# Altium PCB 6502_CPU_MainBoard_PCB_V1_2.PcbDoc (part 1 of 5) (continued)
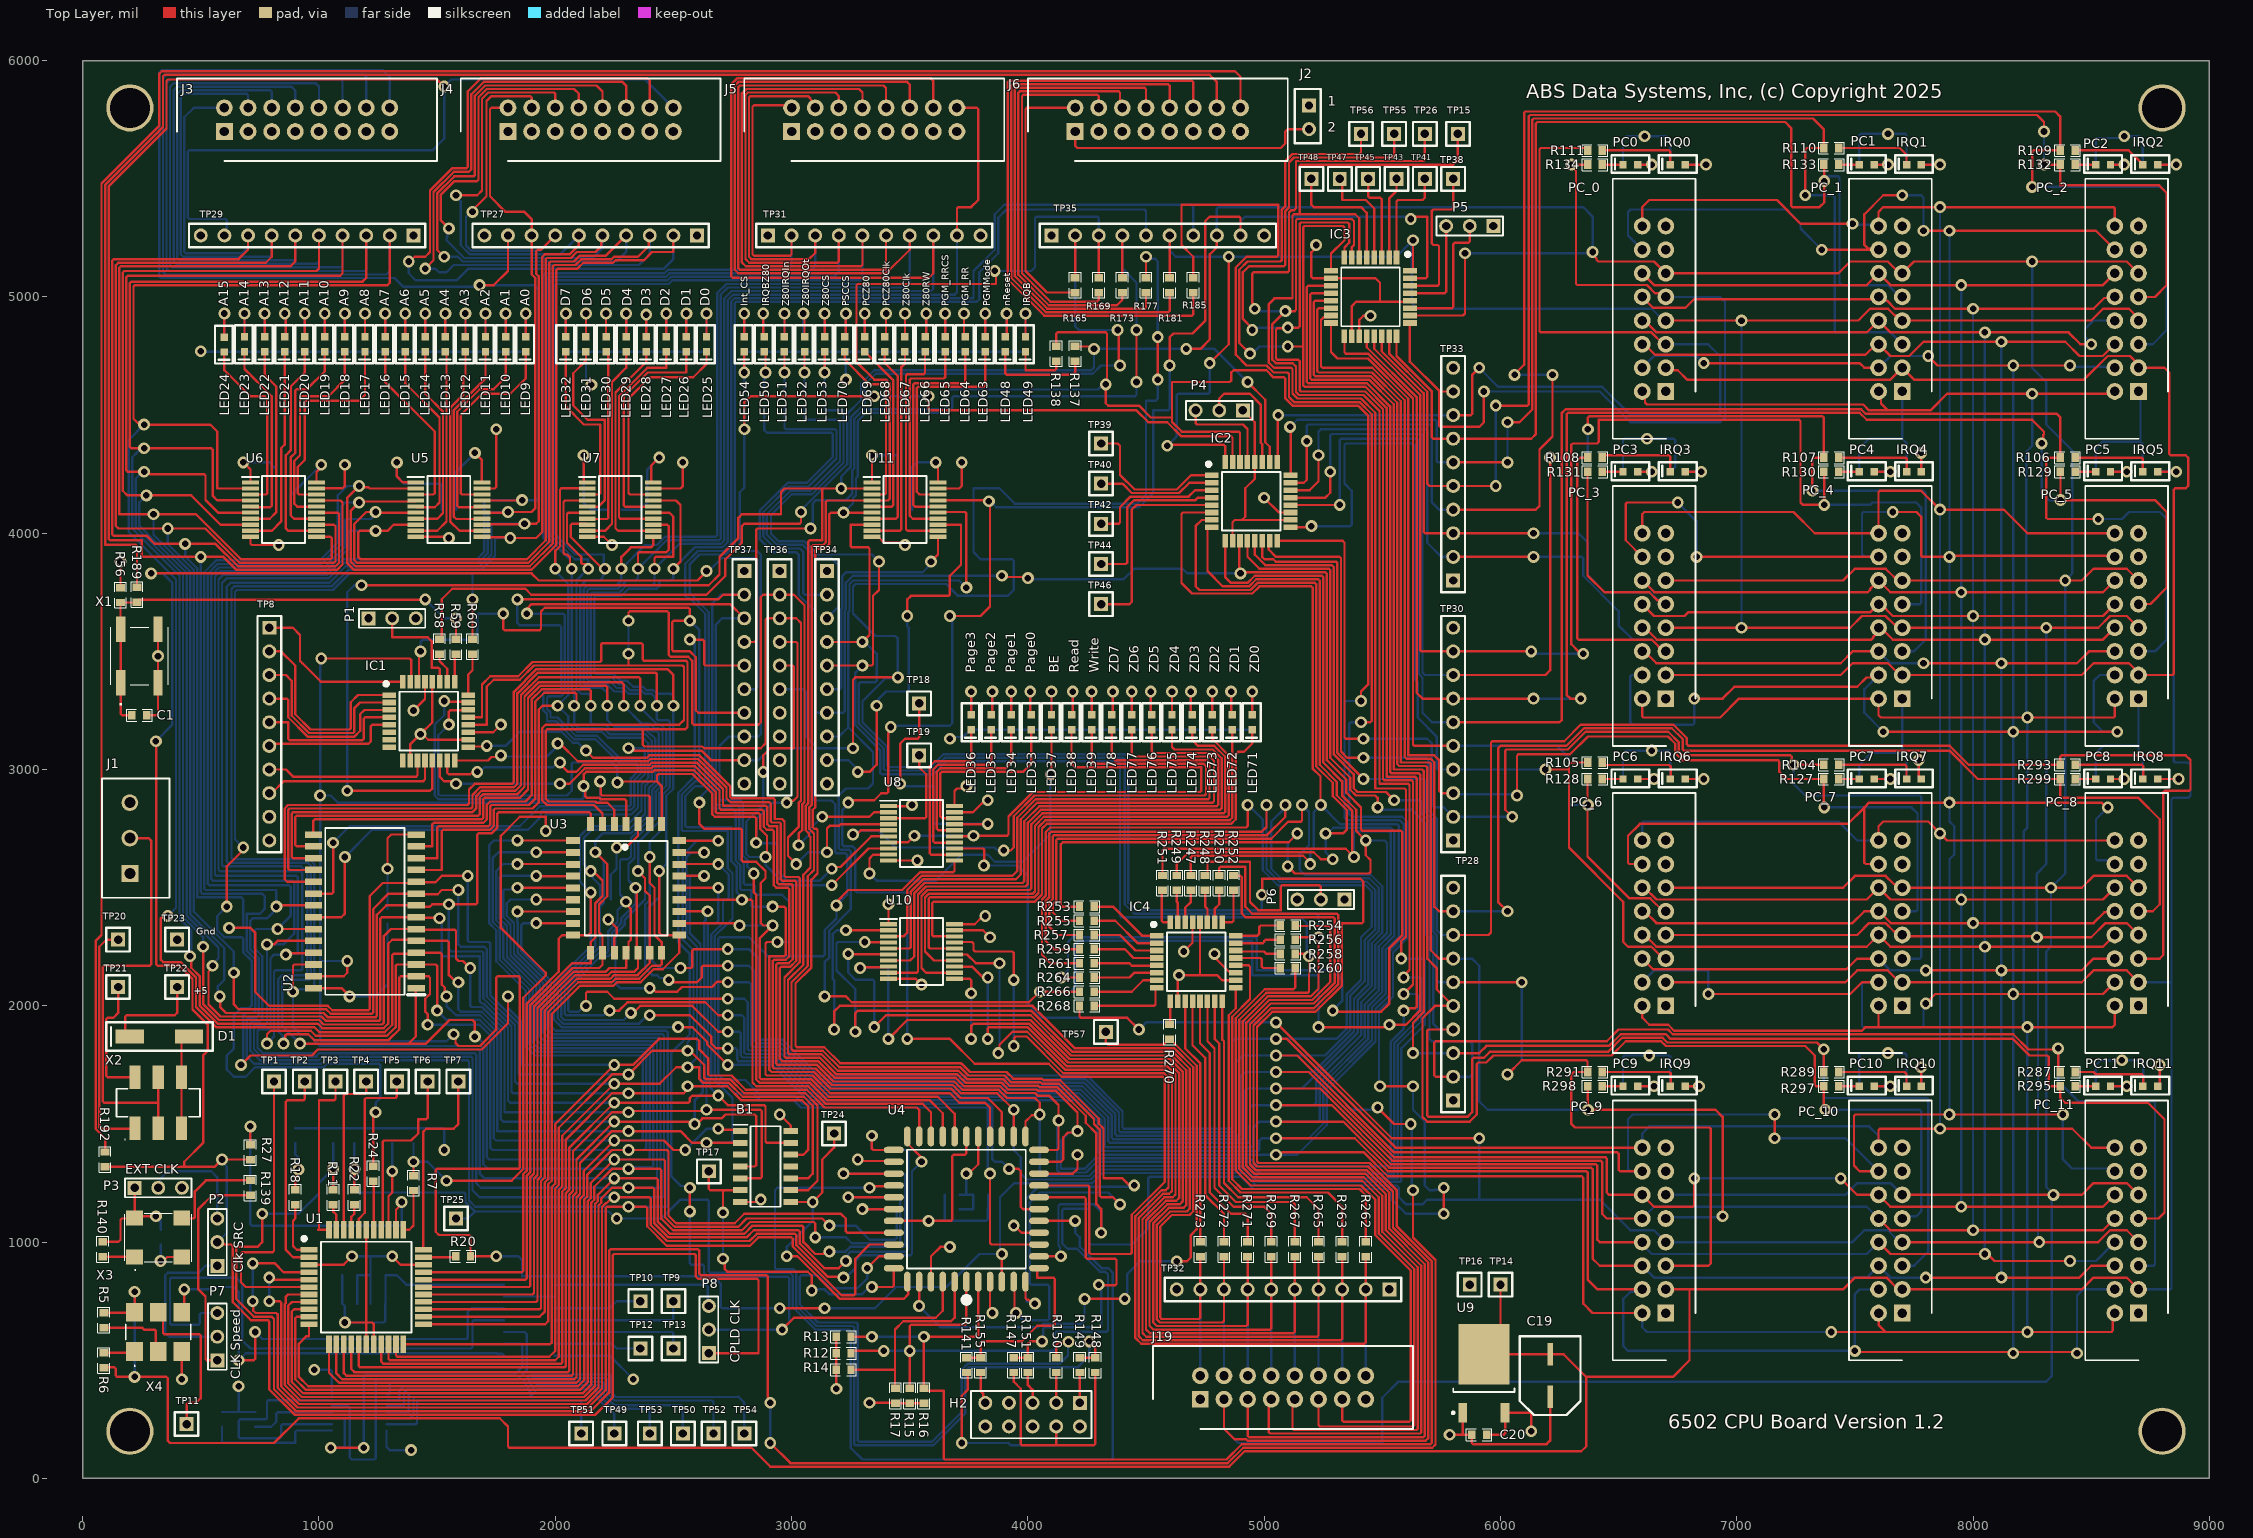
[diagram p0: Top Layer view]
## Footprints (in the part's own frame and the unit in brackets; to place one, negate y for a bottom-side part, rotate by r counter-clockwise, add the part's x,y. Pads: shape width x height; smd on the part's side, far side on the other; paste and mask are expansions set on the pad) (continued)
  rect 0.6x1.475 smd: 9(-2.8,-4.238) 10(-2,-4.238) 11(-1.2,-4.238) 12(-0.4,-4.238) 13(0.4,-4.238) 14(1.2,-4.238) 15(2,-4.238) 16(2.8,-4.238) 25(2.8,4.238) 26(2,4.238) 27(1.2,4.238) 28(0.4,4.238) 29(-0.4,4.238) 30(-1.2,4.238) 31(-2,4.238) 32(-2.8,4.238)
  silkscreen extent -4.77,-3.15 3.15,4.2, body extent -4.5,-4.5 4.5,4.5, height 1.2
QFP-44 [mm]
  rect 1.85x0.6 smd: 1(-6.15,4) 2(-6.15,3.2) 3(-6.15,2.4) 4(-6.15,1.6) 5(-6.15,0.8) 6(-6.15,0) 7(-6.15,-0.8) 8(-6.15,-1.6) 9(-6.15,-2.4) 10(-6.15,-3.2) 11(-6.15,-4) 23(6.15,-4) 24(6.15,-3.2) 25(6.15,-2.4) 26(6.15,-1.6) 27(6.15,-0.8) 28(6.15,0) 29(6.15,0.8) 30(6.15,1.6) 31(6.15,2.4) 32(6.15,3.2) 33(6.15,4)
  rect 0.6x1.85 smd: 12(-4,-6.15) 13(-3.2,-6.15) 14(-2.4,-6.15) 15(-1.6,-6.15) 16(-0.8,-6.15) 17(0,-6.15) 18(0.8,-6.15) 19(1.6,-6.15) 20(2.4,-6.15) 21(3.2,-6.15) 22(4,-6.15) 34(4,6.15) 35(3.2,6.15) 36(2.4,6.15) 37(1.6,6.15) 38(0.8,6.15) 39(0,6.15) 40(-0.8,6.15) 41(-1.6,6.15) 42(-2.4,6.15) 43(-3.2,6.15) 44(-4,6.15)
  silkscreen extent -6.87,-4.87 4.87,5.4, body extent -6.6,-6.6 6.6,6.6, height 2.7
SHDR16W99P254_2X8_2794X889X927P [mm]
  rect 1.8x1.8 / inner round 1.8 / far side rect 1.8x1.8 hole 1.016: 1(0,0)
  round 1.8 hole 1.016: 2(0,2.54) 3(2.54,0) 4(2.54,2.54) 5(5.08,0) 6(5.08,2.54) 7(7.62,0) 8(7.62,2.54) 9(10.16,0) 10(10.16,2.54) 11(12.7,0) 12(12.7,2.54) 13(15.24,0) 14(15.24,2.54) 15(17.78,0) 16(17.78,2.54)
  silkscreen extent -5.08,-3.17 22.86,5.71, body extent -5.08,-3.17 22.86,5.71, height 8.38
SKRAAME010 [mm]
  rect 2.75x1 smd: 1(-2.875,2) 2(2.875,2) 3(-2.875,-2) 4(2.875,-2)
  silkscreen extent -5.23,-3.1 3.1,3.1, body extent -4.15,-3.1 4.15,3.1, height 5.4
SOIC127P600X175-14N [mm]
  rect 1.525x0.65 smd: 1(-2.712,3.81) 2(-2.712,2.54) 3(-2.712,1.27) 4(-2.712,0) 5(-2.712,-1.27) 6(-2.712,-2.54) 7(-2.712,-3.81) 8(2.712,-3.81) 9(2.712,-2.54) 10(2.712,-1.27) 11(2.712,0) 12(2.712,1.27) 13(2.712,2.54) 14(2.712,3.81)
  silkscreen extent -3.47,-4.33 1.6,4.48, body extent -3.01,-4.33 3.01,4.33, height 1.75
SOP65P640X120-14N [mm]
  rect 1.475x0.45 smd: 1(-2.938,1.95) 2(-2.938,1.3) 3(-2.938,0.65) 4(-2.938,0) 5(-2.938,-0.65) 6(-2.938,-1.3) 7(-2.938,-1.95) 8(2.938,-1.95) 9(2.938,-1.3) 10(2.938,-0.65) 11(2.938,0) 12(2.938,0.65) 13(2.938,1.3) 14(2.938,1.95)
  silkscreen extent -3.67,-2.5 1.85,2.52, body extent -3.2,-2.5 3.2,2.5, height 1.13
SOP65P780X200-20N [mm]
  rect 1.8x0.45 smd: 1(-3.55,2.925) 2(-3.55,2.275) 3(-3.55,1.625) 4(-3.55,0.975) 5(-3.55,0.325) 6(-3.55,-0.325) 7(-3.55,-0.975) 8(-3.55,-1.625) 9(-3.55,-2.275) 10(-3.55,-2.925) 11(3.55,-2.925) 12(3.55,-2.275) 13(3.55,-1.625) 14(3.55,-0.975) 15(3.55,-0.325) 16(3.55,0.325) 17(3.55,0.975) 18(3.55,1.625) 19(3.55,2.275) 20(3.55,2.925)
  silkscreen extent -4.45,-3.6 2.3,3.6, body extent -4.03,-3.6 3.77,3.6, height 1.9
SOP-28 [mm]
  rect 1.85x0.7 smd: 1(-5.525,8.255) 2(-5.525,6.985) 3(-5.525,5.715) 4(-5.525,4.445) 5(-5.525,3.175) 6(-5.525,1.905) 7(-5.525,0.635) 8(-5.525,-0.635) 9(-5.525,-1.905) 10(-5.525,-3.175) 11(-5.525,-4.445) 12(-5.525,-5.715) 13(-5.525,-6.985) 14(-5.525,-8.255) 15(5.525,-8.255) 16(5.525,-6.985) 17(5.525,-5.715) 18(5.525,-4.445) 19(5.525,-3.175) 20(5.525,-1.905) 21(5.525,-0.635) 22(5.525,0.635) 23(5.525,1.905) 24(5.525,3.175) 25(5.525,4.445) 26(5.525,5.715) 27(5.525,6.985) 28(5.525,8.255)
  silkscreen extent -6.45,-8.97 4.25,8.97, body extent -5.97,-9.09 5.97,8.84, height 2.79
TO-252_N [mm] "D-PAK, 4-Leads, Body 6.1x6.5mm, Pitch 2.28mm, Lead Span 9.7mm, IPC Medium Density"
  rect 2.1x0.95 smd: 1(-4.25,2.28) 3(-4.25,-2.28)
  rect 6.5x5.5 smd: 4(2.05,0)
  silkscreen extent -4.37,-3.3 -1.6,3.43, body extent -2,-3.3 4.2,3.3, height 2.4
TP [mm] "Test Point"
  rect 1.5x1.5 hole 0.9: 1(0,0)
  silkscreen extent -1.27,-1.27 1.27,1.27
TP_1X10 [mm] "Test Point Header 1X10"
  rect 1.5x1.5 hole 0.9: 1(0,0)
  round 1.5 hole 0.9: 2(2.54,0) 3(5.08,0) 4(7.62,0) 5(10.16,0) 6(12.7,0) 7(15.24,0) 8(17.78,0) 9(20.32,0) 10(22.86,0)
  silkscreen extent -1.27,-1.27 24.13,1.27
XLH736056000000X [mm]
  rect 1.8x2 smd: 1(-2.54,-2.1) 2(0,-2.1) 3(2.54,-2.1) 4(2.54,2.1) 5(0,2.1) 6(-2.54,2.1)
  silkscreen extent -3.5,-3.7 3.5,0.8, body extent -3.5,-2.92 3.5,2.92, height 1.55

## Part data
B1: "Texas Instruments CD74HCT20MT, Dual 4-Input NAND Logic Gate, 14-Pin SOIC", Manufacturer_Name="Texas Instruments", Mouser Part Number=595-CD74HCT20MT, Datasheet Link=https://www.ti.com/general/docs/suppproductinfo.tsp?distId=10&gotoUrl=https%3A%2F%2Fwww.ti.com%2Flit%2Fgpn%2Fcd74hct20, Geometry.Height=1.75mm, Manufacturer_Part_Number=CD74HCT20MT, Mouser Price/Stock=https://www.mouser.co.uk/ProductDetail/Texas-Instruments/CD74HCT20MT?qs=xFfolx0DHx2dg0PqLn7e%252Bw%3D%3D
C1 C2 C3 C4 C5 C6 C9 C12 C13 C14 C15 C16 C17 C18: library part CL10B104JB8NNNC, "Samsung Electro-Mechanics 0603 100nf"
C7 C10: library part CL10B102KB8NNNL, "Samsung Electro-Mechanics 0603 1nf"
C8 C11 C20: library part CL10B105KA8NNNL, "Samsung Electro-Mechanics 0603 1uf"
C19: library part UUD1C470MCL1GS, "CAP ALUM 47UF 20% 16V SMD", Case/Package=Radial, Dielectric Material=Aluminium, Leakage Current=3uA, Manufacturer=Nichicon, Max Operating Temperature=105°C, Min Operating Temperature=-55°C, Package Quantity=1000, Ripple Current=230mA, Supplier Part Number 1=493-2259-1-ND, Tolerance=20%, Voltage=16V, Capacitance=47uF, Category="Aluminum Electrolytic Capacitors", ComponentLink1Description=https://datasheet.ciiva.com/30522/getdatasheetpartid-449848-30522051.pdf?src-supplier=Verical, ComponentLink1URL=https://datasheet.ciiva.com/30522/getdatasheetpartid-449848-30522051.pdf?src-supplier=Verical, ComponentLink2Description=https://datasheet.ciiva.com/96/e-ud-96997.pdf?src-supplier=Digi-Key, ComponentLink2URL=https://datasheet.ciiva.com/96/e-ud-96997.pdf?src-supplier=Digi-Key, ComponentLink3Description=https://datasheet.ciiva.com/11776/0900766b80fa39e7-11776889.pdf?src-supplier=RSComponents, ComponentLink3URL=https://datasheet.ciiva.com/11776/0900766b80fa39e7-11776889.pdf?src-supplier=RSComponents, ComponentLink4Description=https://datasheet.ciiva.com/96/e-ud-96998.pdf?src-supplier=Digi-Key, ComponentLink4URL=https://datasheet.ciiva.com/96/e-ud-96998.pdf?src-supplier=Digi-Key, ComponentLink5Description=https://datasheet.ciiva.com/96/e-ud-96999.pdf?src-supplier=Digi-Key, ComponentLink5URL=https://datasheet.ciiva.com/96/e-ud-96999.pdf?src-supplier=Digi-Key, ComponentLink6Description=https://datasheet.ciiva.com/11686/e-ud-11686236.pdf?src-supplier=Avnet, ComponentLink6URL=https://datasheet.ciiva.com/11686/e-ud-11686236.pdf?src-supplier=Avnet, ComponentLink7Description=https://datasheet.ciiva.com/16502/e-ud-16502750.pdf?src-supplier=Future+Electronics, ComponentLink7URL=https://datasheet.ciiva.com/16502/e-ud-16502750.pdf?src-supplier=Future+Electronics, ComponentLink8Description=https://datasheet.ciiva.com/7781/e-ud-7781695.pdf?src-supplier=Element14, ComponentLink8URL=https://datasheet.ciiva.com/7781/e-ud-7781695.pdf?src-supplier=Element14, Contact Plating=Tin, Diameter=6.3mm, Dissipation Factor=0.2%, Height=5.8mm, Height - Seated (Max)=0.228inch, Impedance=440mR, Lead Diameter=0.8mm, Lead Free="Lead Free", Lead Pitch=2.2mm, Length=5.8mm, Life (Hours)=2000Hour, Manufacturer Part Number=UUD1C470MCL1GS, Number of Pins=2, Packaging="Tape and Reel", Pricing 1="1=0.50000, 10=0.34600, 50=0.24220, 100=0.20760, 500=0.15568 (USD)", Radiation Hardening=No, REACH SVHC="No SVHC", Ripple Current (AC)=230mA, RoHS=Yes, Stock 1=26327, Supplier 1=Digi-Key, Termination=SMD/SMT, Voltage Rating=16V, Voltage Rating (DC)=16V
D1: library part S3AFGHM3/I, "Rectifiers VR=400V, IO=3A", Manufacturer_Name="Comchip Technology", Manufacturer_Part_Number=1N4001-G, Mouser Part Number=750-1N4001-G, Datasheet Link=https://datasheet.datasheetarchive.com/originals/distributors/Datasheets-7/DSA-138621.pdf, Mouser Price/Stock=https://www.mouser.co.uk/ProductDetail/Comchip-Technology/1N4001-G?qs=2qJf6qQ4IOKJYZQUWvVExw%3D%3D
H2: "10 Pin 2x5 Through Hold IDC Connector", Color=Black, Manufacturer=Samtec, Manufacturer Part Number=TST-105-01-G-D, Max Operating Temperature=125°C, Min Operating Temperature=-55°C, Supplier Part Number 1=SAM10835-ND, Category="Headers and Wire Housings", ComponentLink1Description=https://datasheet.ciiva.com/739/tst-mkt-739845.pdf?src-supplier=Digi-Key, ComponentLink1URL=https://datasheet.ciiva.com/739/tst-mkt-739845.pdf?src-supplier=Digi-Key, ComponentLink2Description=https://datasheet.ciiva.com/10018/htst-10018510.pdf?src-supplier=Avnet, ComponentLink2URL=https://datasheet.ciiva.com/10018/htst-10018510.pdf?src-supplier=Avnet, Connector Type="Male Pin", Contact Material=Bronze, Contact Mating Length=0.25inch, Contact Plating=Gold, Depth=9.27mm, Gender=Male, Housing Color=Black, Housing Material=Polyester, Length=27.94mm, Mount="Through Hole", Number of Contacts=16, Number of Positions=16, Number of Rows=2, Orientation=Straight, Packaging=Rail/Tube, Pitch=2.54mm, Pricing 1="1=2.85000, 10=2.73600, 100=2.28000, 500=1.93800, 1000=1.65300, 5000=1.48200 (USD)", REACH SVHC="No SVHC", RoHS=Yes, Row Spacing=0.1inch, Stock 1=227, Supplier 1=Digi-Key, Termination=Solder
IC1 IC2 IC3 IC4: "Integrated Circuit", Manufacturer_Name=Microchip, Manufacturer_Part_Number="AVR64DD32-I/PT | MULTI-VOLTAGE I/O", Datasheet Link=https://www.microchip.com/en-us/product/AVR64DD32, Height=1.2mm
IRQ0 IRQ1 IRQ2 IRQ3 IRQ4 IRQ5 IRQ6 IRQ7 IRQ8 IRQ9 IRQ10 IRQ11 LED49 LED50 LED51 LED52 LED53: library part 150060RS75000, "Wurth Elektronik 0603 red", Case Code (Imperial)=0603, Case Code (Metric)=1608, Color=Green, Forward Current=30mA, Forward Voltage=3.2V, Manufacturer="Wurth Electronics", Manufacturer Part Number=150060GS75000, Max Operating Temperature=85°C, Min Operating Temperature=-40°C, Package Quantity=4000, Test Current=20mA, Case/Package=0603, Category=LEDs, ComponentLink1Description=https://datasheet.ciiva.com/29562/150060gs75000-29562868.pdf?src-supplier=Digi-Key, ComponentLink1URL=https://datasheet.ciiva.com/29562/150060gs75000-29562868.pdf?src-supplier=Digi-Key, ComponentLink2Description=https://datasheet.ciiva.com/29279/759427-da-01-en-chipled-0603-w-kl-gruen-150060gs75000-29279201.pdf?src-supplier=Conrad, ComponentLink2URL=https://datasheet.ciiva.com/29279/759427-da-01-en-chipled-0603-w-kl-gruen-150060gs75000-29279201.pdf?src-supplier=Conrad, ComponentLink3Description=https://datasheet.ciiva.com/29562/150060gs75000-29562869.pdf?src-supplier=Digi-Key, ComponentLink3URL=https://datasheet.ciiva.com/29562/150060gs75000-29562869.pdf?src-supplier=Digi-Key, ComponentLink4Description=https://datasheet.ciiva.com/29562/150060gs75000-29562870.pdf?src-supplier=Digi-Key, ComponentLink4URL=https://datasheet.ciiva.com/29562/150060gs75000-29562870.pdf?src-supplier=Digi-Key, Dominant Wavelength=520nm, Height=0.7mm, Lead Free="Lead Free", Length=1.6mm, Lens Style=Clear,Rectangular, Luminous Intensity=430mcd, Mount="Surface Mount", Packaging="Tape and Reel", Pricing 1="1=0.14000, 50=0.13300, 100=0.11400, 500=0.09900 (USD)", REACH SVHC=Unknown, RoHS=Yes, Stock 1=71509, Supplier 1=Digi-Key, Viewing Angle=140°, Wavelength=520nm, Width=0.8mm
J1: "Connector", Manufacturer_Name="Phoenix Contact", Mouser Part Number=651-1803439, Arrow Part Number=1803439, Arrow Price/Stock=https://www.arrow.com/en/products/1803439/phoenix-contact?region=nac, Datasheet Link=http://uk.rs-online.com/web/p/products/2204838, Manufacturer_Part_Number=1803439, Mouser Price/Stock=https://www.mouser.co.uk/ProductDetail/Phoenix-Contact/1803439?qs=ChwaSN6Xm4%2FKqu7eZUAe4w%3D%3D
J2: "16 Pin 3x8 Through Hold Jumprts", Color=Black, Manufacturer=Samtec, Manufacturer Part Number=TST-108-01-G-D, Max Operating Temperature=125°C, Min Operating Temperature=-55°C, Category="Headers and Wire Housings", ComponentLink1Description=https://datasheet.ciiva.com/739/tst-mkt-739845.pdf?src-supplier=Digi-Key, ComponentLink1URL=https://datasheet.ciiva.com/739/tst-mkt-739845.pdf?src-supplier=Digi-Key, ComponentLink2Description=https://datasheet.ciiva.com/10018/htst-10018510.pdf?src-supplier=Avnet, ComponentLink2URL=https://datasheet.ciiva.com/10018/htst-10018510.pdf?src-supplier=Avnet, Connector Type="Male Pin", Contact Material=Bronze, Contact Mating Length=0.25inch, Contact Plating=Gold, Depth=9.27mm, Gender=Male, Housing Color=Black, Housing Material=Polyester, Length=27.94mm, Mount="Through Hole", Number of Contacts=16, Number of Positions=16, Number of Rows=2, Orientation=Straight, Packaging=Rail/Tube, Pitch=2.54mm, Pricing 1="1=2.85000, 10=2.73600, 100=2.28000, 500=1.93800, 1000=1.65300, 5000=1.48200 (USD)", REACH SVHC="No SVHC", RoHS=Yes, Row Spacing=0.1inch, Stock 1=227, Supplier 1=Digi-Key, Termination=Solder
J3 J4 J5 J6 J19 PC_0 PC_1 PC_2 PC_3 PC_4 PC_5 PC_6 PC_7 PC_8 PC_9 PC_10 PC_11: "Molex C-GRID 70246, 2.54mm Pitch, 16 Way, 2 Row, Straight PCB Header, Through Hole", Manufacturer_Name=Molex, Mouser Part Number=538-70246-1604, Datasheet Link=https://www.molex.com/pdm_docs/sd/702461604_sd.pdf, Geometry.Height=9.27mm, Manufacturer_Part_Number=70246-1604, Mouser Price/Stock=https://www.mouser.co.uk/ProductDetail/Molex/70246-1604?qs=KUIzHt%2Fe91njhb67Cjmalw%3D%3D
LED9 LED10 LED11 LED12 LED13 LED14 LED15 LED16 LED17 LED18 LED19 LED20 LED21 LED22 LED23 LED24: library part 150060GS75000, "Wurth Elektronik 0603 green", Case Code (Imperial)=0603, Case Code (Metric)=1608, Color=Green, Forward Current=30mA, Forward Voltage=3.2V, Manufacturer="Wurth Electronics", Max Operating Temperature=85°C, Min Operating Temperature=-40°C, Package Quantity=4000, Test Current=20mA, Case/Package=0603, Category=LEDs, ComponentLink1Description=https://datasheet.ciiva.com/29562/150060gs75000-29562868.pdf?src-supplier=Digi-Key, ComponentLink1URL=https://datasheet.ciiva.com/29562/150060gs75000-29562868.pdf?src-supplier=Digi-Key, ComponentLink2Description=https://datasheet.ciiva.com/29279/759427-da-01-en-chipled-0603-w-kl-gruen-150060gs75000-29279201.pdf?src-supplier=Conrad, ComponentLink2URL=https://datasheet.ciiva.com/29279/759427-da-01-en-chipled-0603-w-kl-gruen-150060gs75000-29279201.pdf?src-supplier=Conrad, ComponentLink3Description=https://datasheet.ciiva.com/29562/150060gs75000-29562869.pdf?src-supplier=Digi-Key, ComponentLink3URL=https://datasheet.ciiva.com/29562/150060gs75000-29562869.pdf?src-supplier=Digi-Key, ComponentLink4Description=https://datasheet.ciiva.com/29562/150060gs75000-29562870.pdf?src-supplier=Digi-Key, ComponentLink4URL=https://datasheet.ciiva.com/29562/150060gs75000-29562870.pdf?src-supplier=Digi-Key, Dominant Wavelength=520nm, Height=0.7mm, Lead Free="Lead Free", Length=1.6mm, Lens Style=Clear,Rectangular, Luminous Intensity=430mcd, Manufacturer Part Number=150060GS75000, Mount="Surface Mount", Packaging="Tape and Reel", Pricing 1="1=0.14000, 50=0.13300, 100=0.11400, 500=0.09900 (USD)", REACH SVHC=Unknown, RoHS=Yes, Stock 1=71509, Supplier 1=Digi-Key, Viewing Angle=140°, Wavelength=520nm, Width=0.8mm
LED25 LED26 LED27 LED28 LED29 LED30 LED31 LED32 LED71 LED72 LED73 LED74 LED75 LED76 LED77 LED78: library part 150060BS75000, "Wurth Elektronik 0603 blue", Case Code (Imperial)=0603, Case Code (Metric)=1608, Color=Green, Forward Current=30mA, Forward Voltage=3.2V, Manufacturer="Wurth Electronics", Manufacturer Part Number=150060GS75000, Max Operating Temperature=85°C, Min Operating Temperature=-40°C, Package Quantity=4000, Test Current=20mA, Case/Package=0603, Category=LEDs, ComponentLink1Description=https://datasheet.ciiva.com/29562/150060gs75000-29562868.pdf?src-supplier=Digi-Key, ComponentLink1URL=https://datasheet.ciiva.com/29562/150060gs75000-29562868.pdf?src-supplier=Digi-Key, ComponentLink2Description=https://datasheet.ciiva.com/29279/759427-da-01-en-chipled-0603-w-kl-gruen-150060gs75000-29279201.pdf?src-supplier=Conrad, ComponentLink2URL=https://datasheet.ciiva.com/29279/759427-da-01-en-chipled-0603-w-kl-gruen-150060gs75000-29279201.pdf?src-supplier=Conrad, ComponentLink3Description=https://datasheet.ciiva.com/29562/150060gs75000-29562869.pdf?src-supplier=Digi-Key, ComponentLink3URL=https://datasheet.ciiva.com/29562/150060gs75000-29562869.pdf?src-supplier=Digi-Key, ComponentLink4Description=https://datasheet.ciiva.com/29562/150060gs75000-29562870.pdf?src-supplier=Digi-Key, ComponentLink4URL=https://datasheet.ciiva.com/29562/150060gs75000-29562870.pdf?src-supplier=Digi-Key, Dominant Wavelength=520nm, Height=0.7mm, Lead Free="Lead Free", Length=1.6mm, Lens Style=Clear,Rectangular, Luminous Intensity=430mcd, Mount="Surface Mount", Packaging="Tape and Reel", Pricing 1="1=0.14000, 50=0.13300, 100=0.11400, 500=0.09900 (USD)", REACH SVHC=Unknown, RoHS=Yes, Stock 1=71509, Supplier 1=Digi-Key, Viewing Angle=140°, Wavelength=520nm, Width=0.8mm
LED33 LED34 LED35 LED36 LED37 LED38 LED39 LED48 LED54 LED63 LED64 LED65 LED66 LED67 LED68 LED69 LED70 PC0 PC1 PC2 PC3 PC4 PC5 PC6 PC7 PC8 PC9 PC10 PC11: library part 150060AS75000, "Wurth Elektronik 0603 amber", Case Code (Imperial)=0603, Case Code (Metric)=1608, Color=Green, Forward Current=30mA, Forward Voltage=3.2V, Manufacturer="Wurth Electronics", Manufacturer Part Number=150060GS75000, Max Operating Temperature=85°C, Min Operating Temperature=-40°C, Package Quantity=4000, Test Current=20mA, Case/Package=0603, Category=LEDs, ComponentLink1Description=https://datasheet.ciiva.com/29562/150060gs75000-29562868.pdf?src-supplier=Digi-Key, ComponentLink1URL=https://datasheet.ciiva.com/29562/150060gs75000-29562868.pdf?src-supplier=Digi-Key, ComponentLink2Description=https://datasheet.ciiva.com/29279/759427-da-01-en-chipled-0603-w-kl-gruen-150060gs75000-29279201.pdf?src-supplier=Conrad, ComponentLink2URL=https://datasheet.ciiva.com/29279/759427-da-01-en-chipled-0603-w-kl-gruen-150060gs75000-29279201.pdf?src-supplier=Conrad, ComponentLink3Description=https://datasheet.ciiva.com/29562/150060gs75000-29562869.pdf?src-supplier=Digi-Key, ComponentLink3URL=https://datasheet.ciiva.com/29562/150060gs75000-29562869.pdf?src-supplier=Digi-Key, ComponentLink4Description=https://datasheet.ciiva.com/29562/150060gs75000-29562870.pdf?src-supplier=Digi-Key, ComponentLink4URL=https://datasheet.ciiva.com/29562/150060gs75000-29562870.pdf?src-supplier=Digi-Key, Dominant Wavelength=520nm, Height=0.7mm, Lead Free="Lead Free", Length=1.6mm, Lens Style=Clear,Rectangular, Luminous Intensity=430mcd, Mount="Surface Mount", Packaging="Tape and Reel", Pricing 1="1=0.14000, 50=0.13300, 100=0.11400, 500=0.09900 (USD)", REACH SVHC=Unknown, RoHS=Yes, Stock 1=71509, Supplier 1=Digi-Key, Viewing Angle=140°, Wavelength=520nm, Width=0.8mm
P1 P2 P3 P4 P5 P6 P7 P8: "Header, 3-Pin", LatestRevisionDate=17-Jul-2002, LatestRevisionNote="Re-released for DXP Platform.", Publisher="Altium Limited"
R1 R2 R3 R4 R31 R56 R141 R147 R148: library part AC0603FR-7W1KL, "YAGEO 0603 1k ohm", Manufacturer_Name=KEMET, Manufacturer_Part_Number=RC0603JR-070RL, Mouser Part Number=603-RC0603JR-070RL, Datasheet Link=https://datasheet.datasheetarchive.com/originals/distributors/Datasheets_SAMA/902f9e387b938f871d31120f5fc1d65e.pdf, Geometry.Height=0.55mm, Mouser Price/Stock=https://www.mouser.co.uk/ProductDetail/YAGEO/RC0603JR-070RL?qs=2cAdsCoAWRGWyPcuXgGiXQ%3D%3D
R5 R6 R8 R9 R10 R12 R13 R14 R15 R16 R17: library part RC0603JR-0710KL, "YAGEO 0603 10k ohm", Manufacturer_Name=KEMET, Manufacturer_Part_Number=RC0603JR-070RL, Mouser Part Number=603-RC0603JR-070RL, Datasheet Link=https://datasheet.datasheetarchive.com/originals/distributors/Datasheets_SAMA/902f9e387b938f871d31120f5fc1d65e.pdf, Geometry.Height=0.55mm, Mouser Price/Stock=https://www.mouser.co.uk/ProductDetail/YAGEO/RC0603JR-070RL?qs=2cAdsCoAWRGWyPcuXgGiXQ%3D%3D
R7 R11 R18 R20 R22 R24 R27 R58 R59 R60 R104 R105 R106 R107 R108 R109 R110 R111 R127 R128 R129 R130 R131 R132 R133 R134 R137 R138 R139 R140 R149 R150 R151 R155 R165 R169 R173 R177 R181 R185 R189 R192 R247 R248 R249 R250 R251 R252 R253 R254 R255 R256 R257 R258 R259 R260 R261 R262 R263 R264 R265 R266 R267 R268 R269 R270 R271 R272 R273 R287 R288 R289 R290 R291 R292 R293 R294 R295 R296 R297 R298 R299: library part RC0603JR-070RL, "YAGEO 0603 0 ohm", Manufacturer_Name=KEMET, Mouser Part Number=603-RC0603JR-070RL, Datasheet Link=https://datasheet.datasheetarchive.com/originals/distributors/Datasheets_SAMA/902f9e387b938f871d31120f5fc1d65e.pdf, Geometry.Height=0.55mm, Manufacturer_Part_Number=RC0603JR-070RL, Mouser Price/Stock=https://www.mouser.co.uk/ProductDetail/YAGEO/RC0603JR-070RL?qs=2cAdsCoAWRGWyPcuXgGiXQ%3D%3D
R72 R73 R74 R75 R76 R77 R78 R79 R112 R113 R114 R115 R116 R117 R118 R119 R120 R121 R122 R123 R124 R125 R126 R135 R136 R274 R275 R276 R277 R278 R279 R280 R281 R282 R283 R284 R285 R286 R300 R301 R302 R303 R304 R305 R306 R307: library part AC0603FR-7W1KL_1, "YAGEO 0603 1k ohm", Manufacturer_Name=KEMET, Manufacturer_Part_Number=RC0603JR-070RL, Mouser Part Number=603-RC0603JR-070RL, Datasheet Link=https://datasheet.datasheetarchive.com/originals/distributors/Datasheets_SAMA/902f9e387b938f871d31120f5fc1d65e.pdf, Geometry.Height=0.55mm, Mouser Price/Stock=https://www.mouser.co.uk/ProductDetail/YAGEO/RC0603JR-070RL?qs=2cAdsCoAWRGWyPcuXgGiXQ%3D%3D
R80 R81 R82 R83 R84 R85 R86 R87 R88 R89 R90 R91 R92 R93 R94 R95 R96 R97 R98 R99 R100 R101 R102 R103 R308 R309 R310 R311 R312 R313 R314 R315: library part RC0603FR-104K7L, "YAGEO 0603 4.7k", Manufacturer_Name=KEMET, Manufacturer_Part_Number=RC0603JR-070RL, Mouser Part Number=603-RC0603JR-070RL, Datasheet Link=https://datasheet.datasheetarchive.com/originals/distributors/Datasheets_SAMA/902f9e387b938f871d31120f5fc1d65e.pdf, Geometry.Height=0.55mm, Mouser Price/Stock=https://www.mouser.co.uk/ProductDetail/YAGEO/RC0603JR-070RL?qs=2cAdsCoAWRGWyPcuXgGiXQ%3D%3D
TP1 TP2 TP3 TP4 TP5 TP6 TP7 TP8 TP10 TP11 TP13 TP14 TP15 TP16 TP17 TP18 TP19 TP22 TP23 TP24 TP25 TP26 TP27 TP28 TP29 TP30 TP31 TP32 TP33 TP34 TP35 TP36 TP37 TP38 TP39 TP40 TP41 TP42 TP43 TP44 TP45 TP46 TP47 TP48 TP49 TP50 TP51 TP52 TP53 TP54 TP55 TP56 TP57: Color=Black, Manufacturer=Samtec, Manufacturer Part Number=TST-105-01-G-D, Max Operating Temperature=125°C, Min Operating Temperature=-55°C, Category="Headers and Wire Housings", ComponentLink1Description=https://datasheet.ciiva.com/739/tst-mkt-739845.pdf?src-supplier=Digi-Key, ComponentLink1URL=https://datasheet.ciiva.com/739/tst-mkt-739845.pdf?src-supplier=Digi-Key, ComponentLink2Description=https://datasheet.ciiva.com/10018/htst-10018510.pdf?src-supplier=Avnet, ComponentLink2URL=https://datasheet.ciiva.com/10018/htst-10018510.pdf?src-supplier=Avnet, Connector Type="Male Pin", Contact Material=Bronze, Contact Mating Length=0.25inch, Contact Plating=Gold, Depth=9.27mm, Gender=Male, Housing Color=Black, Housing Material=Polyester, Length=27.94mm, Mount="Through Hole", Number of Contacts=16, Number of Positions=16, Number of Rows=2, Orientation=Straight, Packaging=Rail/Tube, Pitch=2.54mm, Pricing 1="1=2.85000, 10=2.73600, 100=2.28000, 500=1.93800, 1000=1.65300, 5000=1.48200 (USD)", REACH SVHC="No SVHC", RoHS=Yes, Row Spacing=0.1inch, Stock 1=227, Supplier 1=Digi-Key, Termination=Solder
TP9 TP12 TP20 TP21: library part TP, Color=Black, Manufacturer=Samtec, Manufacturer Part Number=TST-105-01-G-D, Max Operating Temperature=125°C, Min Operating Temperature=-55°C, Category="Headers and Wire Housings", ComponentLink1Description=https://datasheet.ciiva.com/739/tst-mkt-739845.pdf?src-supplier=Digi-Key, ComponentLink1URL=https://datasheet.ciiva.com/739/tst-mkt-739845.pdf?src-supplier=Digi-Key, ComponentLink2Description=https://datasheet.ciiva.com/10018/htst-10018510.pdf?src-supplier=Avnet, ComponentLink2URL=https://datasheet.ciiva.com/10018/htst-10018510.pdf?src-supplier=Avnet, Connector Type="Male Pin", Contact Material=Bronze, Contact Mating Length=0.25inch, Contact Plating=Gold, Depth=9.27mm, Gender=Male, Housing Color=Black, Housing Material=Polyester, Length=27.94mm, Mount="Through Hole", Number of Contacts=16, Number of Positions=16, Number of Rows=2, Orientation=Straight, Packaging=Rail/Tube, Pitch=2.54mm, Pricing 1="1=2.85000, 10=2.73600, 100=2.28000, 500=1.93800, 1000=1.65300, 5000=1.48200 (USD)", REACH SVHC="No SVHC", RoHS=Yes, Row Spacing=0.1inch, Stock 1=227, Supplier 1=Digi-Key, Termination=Solder
U1: "Microprocessors - MPU 8-bit Microprocessor", Manufacturer_Name="Western Design Center (WDC)", Mouser Part Number=955-W65C02S6TQG-14, Datasheet Link=http://www.westerndesigncenter.com/wdc/documentation/w65c02s.pdf, Geometry.Height=2.7mm, Manufacturer_Part_Number=W65C02S6TQG-14, Mouser Price/Stock=https://www.mouser.co.uk/ProductDetail/Western-Design-Center-WDC/W65C02S6TQG-14?qs=opBjA1TV900Cx5CoX8hQeQ%3D%3D
U2: "SRAM 256K 32K x 8 4.5-5.5V 28pin 330mil SOP Industrial (-40 85 C) Low Power Asynch", Manufacturer_Name="Alliance Memory", Mouser Part Number=913-CY62256NLL55SNXI, Datasheet Link=https://www.cypress.com/file/43841/download, Geometry.Height=2.794mm, Manufacturer_Part_Number=CY62256NLL-55SNXI, Mouser Price/Stock=https://www.mouser.co.uk/ProductDetail/Alliance-Memory/CY62256NLL-55SNXI?qs=byeeYqUIh0Pp3ev9t84NaQ%3D%3D
U3: "NOR Flash 4.5 to 5.5 1Mbit Multi-Purpose Flash", Mouser Part Number=579-39SF040554CNHET, MicroChip Part Number=SST39SF040-55-4C-NHE-T, Supplier=Mouser
U4: "ATF1502AS-10JU44, CPLD ATF1502AS EEPROM 32 Cells, 32 I/O, 2 Labs, 10ns, ISP, 4.75  5.25 V 44-Pin PLCC", Manufacturer_Name=Microchip, Mouser Part Number=556-AF1502AS10JU44, Datasheet Link=http://ww1.microchip.com/downloads/en/DeviceDoc/Atmel-0995-CPLD-ATF1502AS(L)-Datasheet.pdf, Geometry.Height=4.572mm, Manufacturer_Part_Number=ATF1502AS-10JU44, Mouser Price/Stock=https://www.mouser.co.uk/ProductDetail/Microchip-Technology-Atmel/ATF1502AS-10JU44?qs=fH4tvdCgwtOmGOXETrb9sw%3D%3D
U5 U6 U7 U8 U10 U11: "Octal Buffers/Drivers With 3-State Outputs", Manufacturer_Name="Texas Instruments", Mouser Part Number=595-SN74ABT240ADBR, Datasheet Link=http://www.ti.com/lit/gpn/sn74abt240a, Geometry.Height=2mm, Manufacturer_Part_Number=SN74ABT240ADBR, Mouser Price/Stock=https://www.mouser.co.uk/ProductDetail/Texas-Instruments/SN74ABT240ADBR?qs=JHHQeKcAU3Dt82k%252BVyiYdw%3D%3D
U9: library part PM-REG-LD1117-SOT3, "3.3V Voltage Regulator SMD", ComponentLink1Description="Manufacturer URL", ComponentLink1URL=http://www.st.com, ComponentLink2Description=Datasheet, ComponentLink2URL=http://www.st.com/internet/com/TECHNICAL_RESOURCES/TECHNICAL_LITERATURE/DATASHEET/CD00000544.pdf, DatasheetVersion=1/11/2011, PackageDescription="3-Pin Transistor Outline Package 2.28 mm Pitch, 9.7 mm Lead Span (DPAK)", PackageReference=TO-252, PackageVersion=2011
U12: "Inveter"
U13: "FlipFlop"
X1: "ALPS - SKRAAME010 - SWITCH, SMD, 1.96N, 6.2X6.2MM", Manufacturer_Name="ALPS Electric", Mouser Part Number=688-SKRAAME010, Datasheet Link=https://componentsearchengine.com/Datasheets/1/SKRAAME010.pdf, Geometry.Height=5.3mm, Manufacturer_Part_Number=SKRAAME010, Mouser Price/Stock=https://www.mouser.com/Search/Refine.aspx?Keyword=688-SKRAAME010
X2: "Sub miniature slide switches", Manufacturer_Name="C & K COMPONENTS", Mouser Part Number=611-JS202011SCQN, Datasheet Link=http://www.ckswitches.com/media/1422/js.pdf, Geometry.Height=5.5mm, Manufacturer_Part_Number=JS202011SCQN, Mouser Price/Stock=https://www.mouser.co.uk/ProductDetail/CK/JS202011SCQN?qs=LgMIjt8LuD95JYWxZ7NvZA%3D%3D
X3: "Standard Clock Oscillators 13.56MHz 5V 100ppm -40C +85C", Manufacturer_Name=IQD, Mouser Part Number=449-LFSPXO025876REEL, Datasheet Link=https://componentsearchengine.com/Datasheets/1/LFSPXO025876Reel.pdf, Geometry.Height=1.4mm, Manufacturer_Part_Number=LFSPXO025876Reel, Mouser Price/Stock=https://www.mouser.co.uk/ProductDetail/IQD/LFSPXO025876Reel?qs=e4%2FAndAAwgKQk%252Bo7MiilFg%3D%3D
X4: "Crystall Oscillator"

## Free pads (board coordinates)
  round 200 hole 170: 37(200,200) 37(200,5800) 37(8800,200) 37(8800,5800)

## Via types
v1: diameter 50, hole 28, Top Layer to Bottom Layer, 666 vias

## Nets (pads, with @x,y where several pads share a name; then routed paths per layer and width w, separated by ;. In a path a pad name is that pad's centre, name@x,y a point inside that pad or via, vN(x,y) a via of type N, cw(c..) or ccw(c..) an arc to the next point about the centre after c; other vN are vias at no path point)
28Mhz_Clock: U12.1 U12.5 X4.4 | length 3139.9
  Top Layer w10: X4.4@420,702.68 430,712.68 v1(430,800) ; v1(660,500) 724.14,500 730,505.86 v1(730,620)
  Bottom Layer w10: v1(430,800) 535.41,800 545.41,810 640,810 660,790 v1(660,500) ; v1@662.35,502.35 690,530 1752.35,530 1754.56,527.8 1775.43,527.8 U12.1@1783.23,520 ; v1(730,620) 760,590 1624.14,590 1630,595.86 1630,704.14 1645.86,720 U12.5@1783.23,720
+3.3: C19.1 PC_0.3 PC_1.3 PC_2.3 PC_3.3 PC_4.3 PC_5.3 PC_6.3 PC_7.3 PC_8.3 PC_9.3 PC_10.3 PC_11.3 R5.2 R6.2 TP14.1 U9.4 X4.6 | length 22453.2
  Top Layer w10: R6.2@90,468.5 91.5,470 134.14,470 140,464.14 140,435.86 145.86,430 v1(220,430) 354.14,430 360,424.14 360,160 370,150 810,150 915,255 1765,255 1800,220 1800,135.86 1805.86,130 2830,130 2910,50 4852.43,50 4917.43,115 6342.28,115 6363.13,135.86 6363.13,430 ; R5.2@90,701.5 218.82,701.5 X4.6@220,702.68 v1(220,790) ; TP14.1@6000,820 6000,595.71 U9.4@5930,525.71 6210,525.71 6267.43,525.71 6363.13,430 ; PC_9.3@6700,800 6800,800 ; PC_6.3@6700,2100 7460,2100 7510,2150 7638.79,2150 7688.79,2100 8460,2100 8510,2150 8650,2150 PC_8.3@8700,2100 ; PC_3.3@6700,3400 7440,3400 7490,3450 7640,3450 7690,3400 8460,3400 8510,3450 8660,3450 8700,3410 PC_5.3@8700,3400 8844.14,3400 8850,3405.86 8850,4184.14 8855.86,4190 8900,4190 8910,4200 8910,4320 8900,4330 8835.86,4330 8830,4335.86 8830,4680 8810,4700 PC_2.3@8700,4700 8700,4714.14 8664.14,4750 8570,4750 8470,4650 7750,4650 PC_1.3@7700,4700 7650,4650 7570,4650 7569.14,4649.14 7560.86,4649.14 7560,4650 6790,4650 6750.43,4689.57 6710.43,4689.57 PC_0.3@6700,4700 ; PC_11.3@8700,800 8650,850 8510,850 8460,800 7683.71,800 7633.71,850 7500,850 7450,800 6800,800 ; 6363.13,430 6730,430 6800,500 6800,800
  Bottom Layer w10: v1(220,430) v1(220,790) ; PC_11.3@8700,800 8834.14,800 8840,805.86 8840,2100 ; PC_8.3@8700,2100 8840,2100 ; PC_5.3@8700,3400 8844.14,3400 8850,3394.14 8850,3035.86 8855.86,3030 8910,3030 8920,3020 8920,2890 8910,2880 8845.86,2880 8840,2874.14 8840,2100